# Altium PCB dwm1000arduino.PcbDoc
Units mil, origin at the board's own origin, x right, y up, seen from the top; angles counter-clockwise.
Board outline 2500 x 2000 mil, 2 copper layers (Top Layer, Bottom Layer); 55 components, 45 nets, 169 pads, 32 vias.
Unrouted connection lines stored in the file: 1.
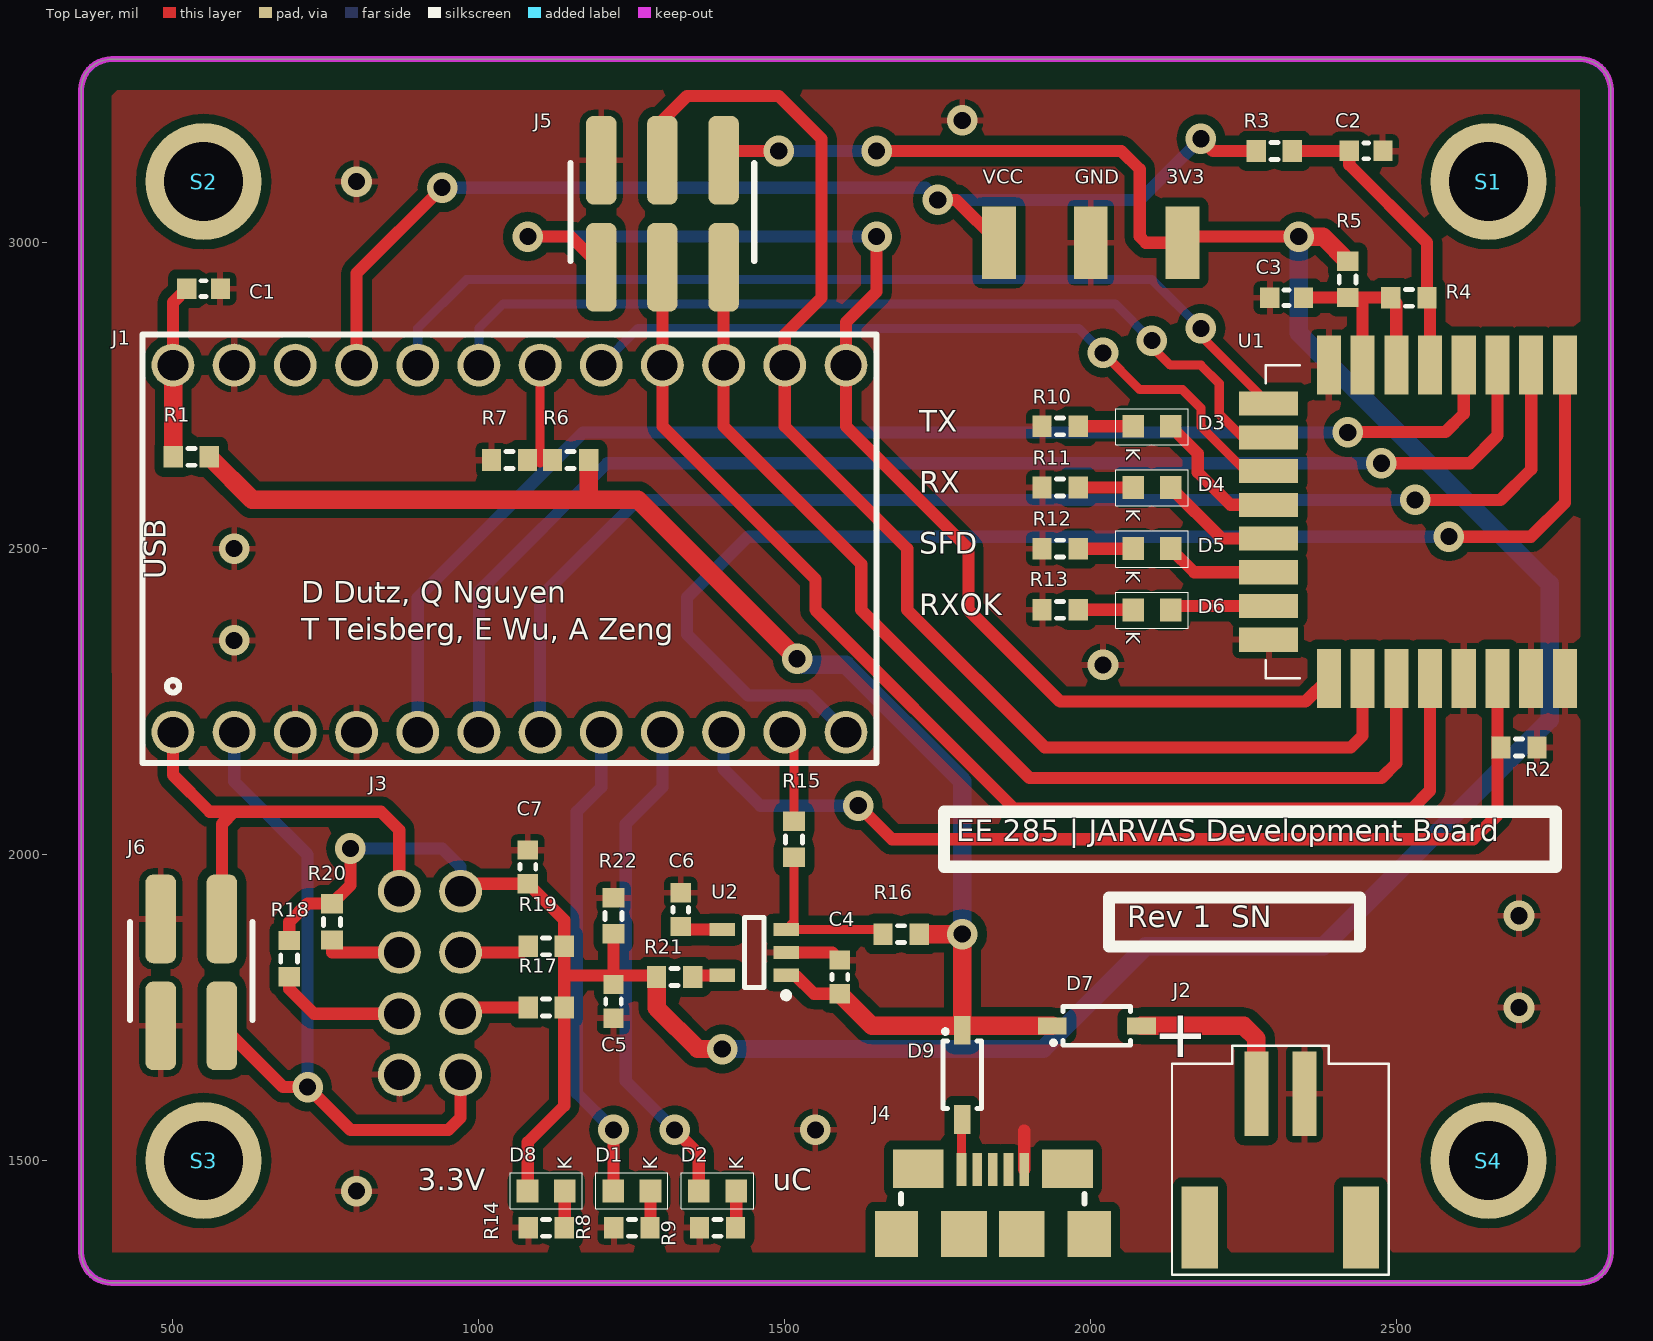
[diagram p0: Top Layer view]
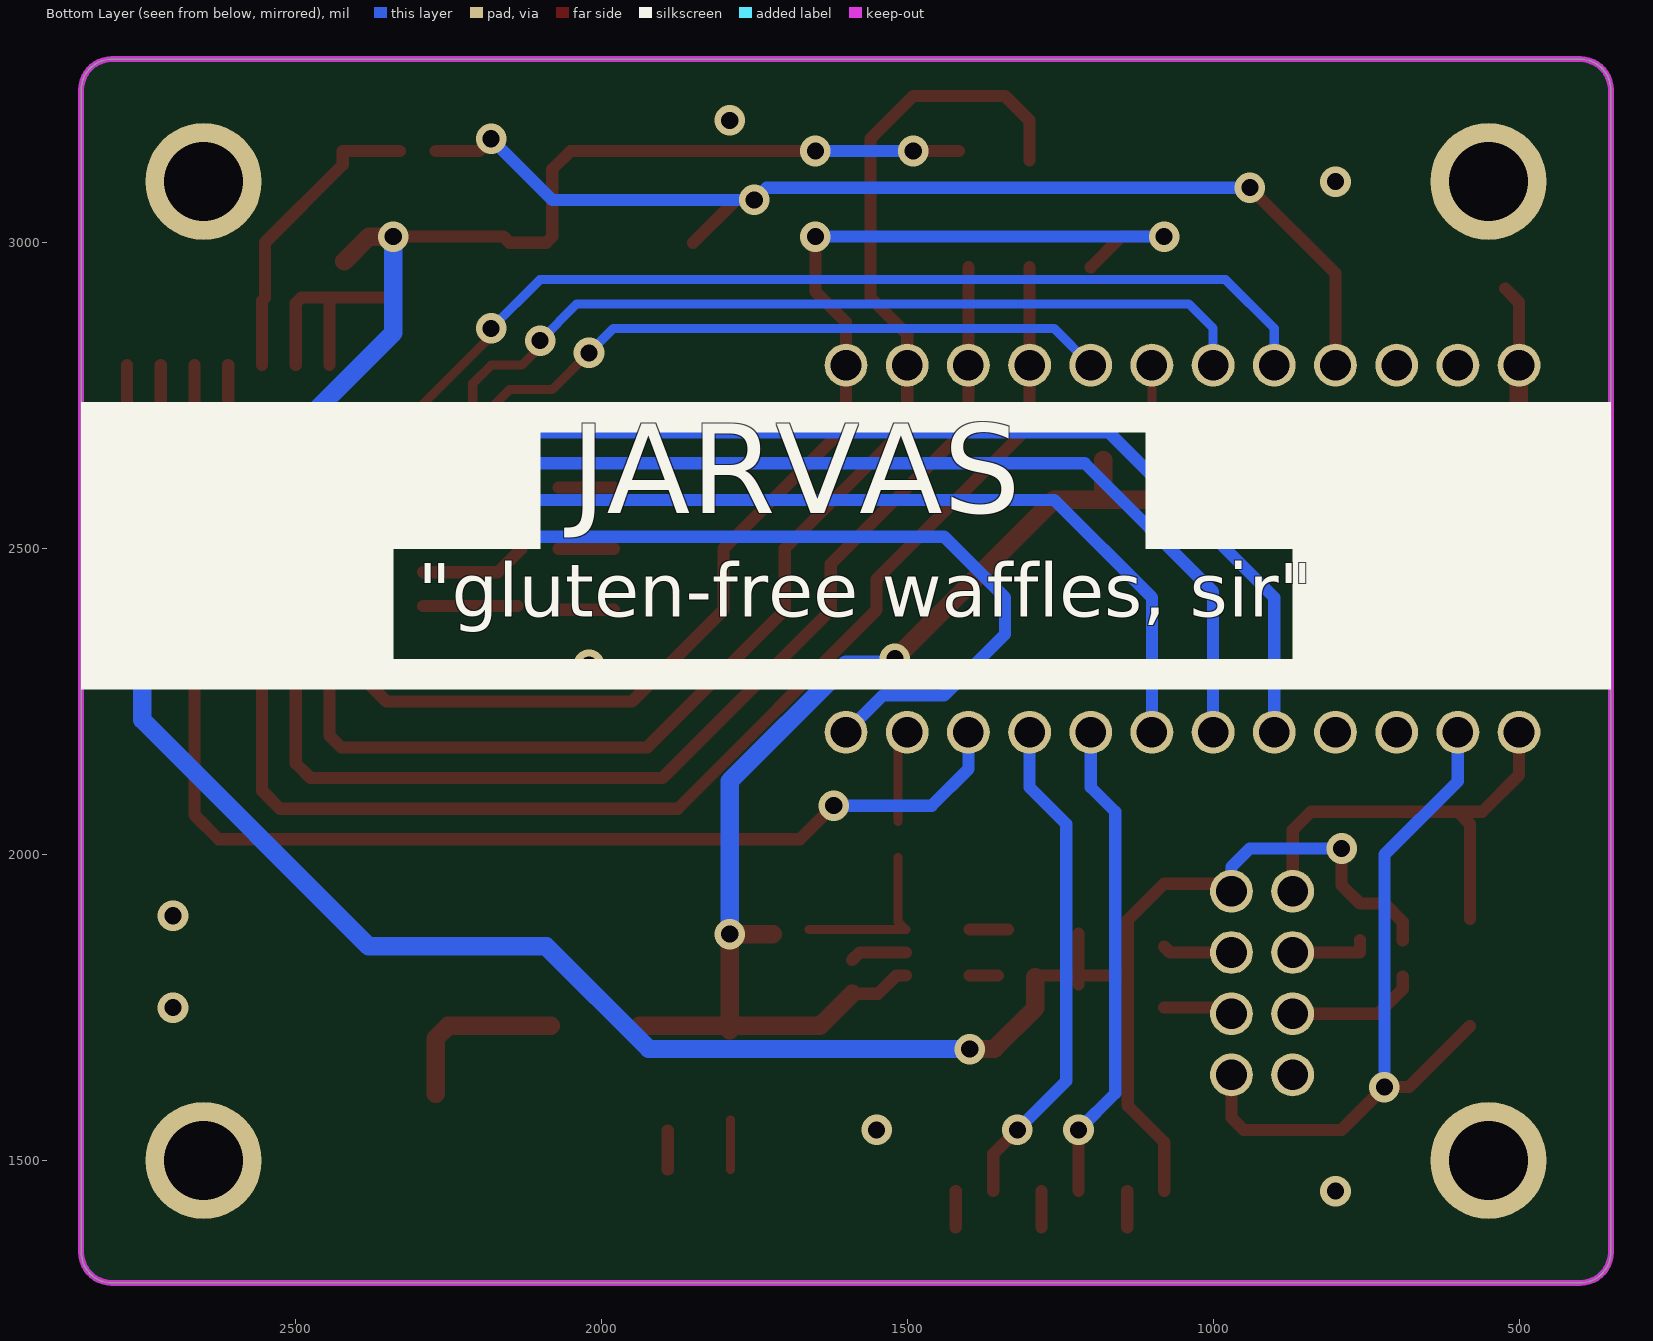
[diagram p1: Bottom Layer view, seen from below]
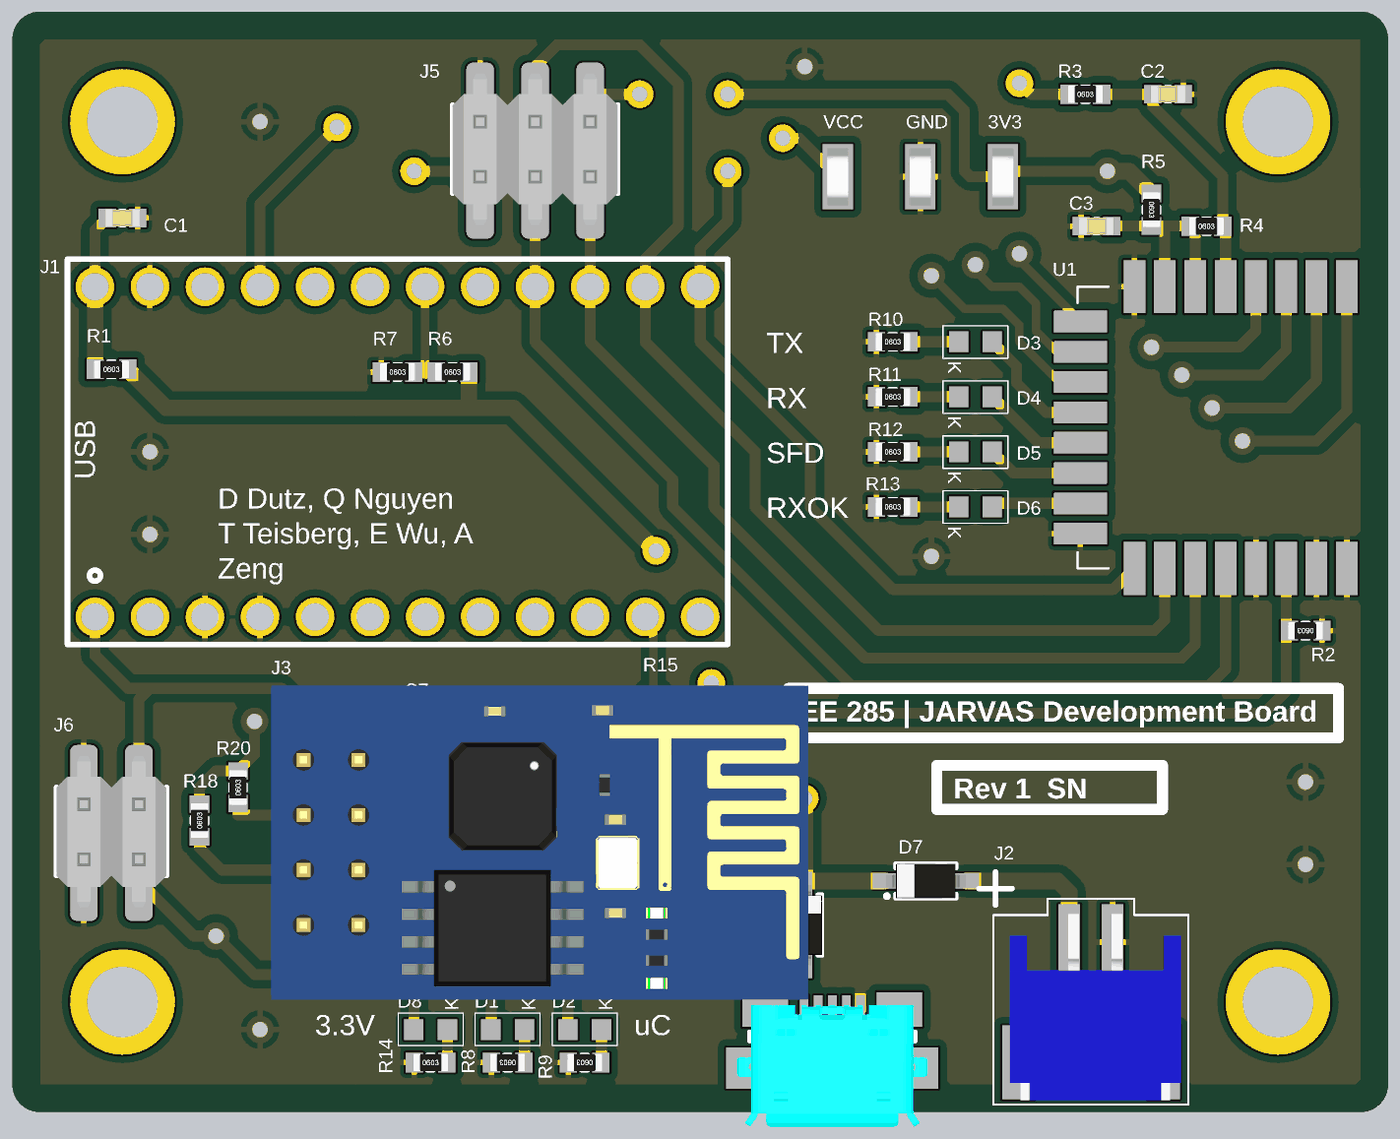
[diagram p2: 3D render of the assembled board from above, using the file's embedded part models]

## Layer stack, top to bottom
Top Solder: solder mask 0.4, Solder Resist, Dk 3.5
Top Layer: signal copper 1.4
Dielectric 1: dielectric 12.6, FR-4, Dk 4.8
Bottom Layer: signal copper 1.4
Bottom Solder: solder mask 0.4, Solder Resist, Dk 3.5

## Board outline
350,1350 350,3250 cw(c400,3250) 400,3300 2800,3300 cw(c2800,3250) 2850,3250 2850,1350 cw(c2800,1350) 2800,1300 400,1300 cw(c400,1350)

## Design rules (kind name [scope] priority, off if disabled: settings)
BoardOutlineClearance [All] p1: gap=50 ignorepadtopadclearanceinfootprint=FALSE
Clearance [All] p1: gap=7 ignorepadtopadclearanceinfootprint=FALSE except(0: Arc-Hole Track-Hole SMDPad-Hole THPad-Hole Via-Hole Fill-Hole Poly-Hole Region-Hole Text-Hole; 15: Arc-Via Arc-Poly Track-Via Track-Poly SMDPad-Via SMDPad-Poly THPad-Via THPad-Poly Via-Via Via-Poly Fill-Poly Poly-Poly)
HoleSize [All] p1: absolutevalues=TRUE maxlimit=250 minlimit=1 maxpercent=80.000 minpercent=20.000
MinimumSolderMaskSliver [All] p1: minsoldermaskwidth=1
PolygonConnect [All] p1: connectstyle=Relief reliefconductorwidth=10 reliefentries=4 polygonreliefangle="90 Angle" airgapwidth=10
RoutingVias [All] p1: holewidth=28 width=50 viastyle="Through Hole" minholewidth=28 minwidth=50 maxholewidth=28 maxwidth=50
SilkToSilkClearance [All] p1: silktosilkclearance=3
SilkToSolderMaskClearance [IsPad] p1: minsilkscreentomaskgap=3 clearancetoexposedcopper=TRUE
SolderMaskExpansion [All] p1: expansion=4
Width [All] p1: maxlimit=50 minlimit=15 preferedwidth=20
26 further rules are at their usual default settings.

## Components (designator, comment, footprint, x,y, rotation, side; value= is the part's Value field where it differs from the comment)
3V3 "TEST_KEYSTONE5015" TP_KEYSTONE_5015 2150,3000 r270 top
B1 "Banananannaa!" BANANA_OPEN 3810,3660 r135 top
C1 "__template_cap" C0603 550,2925 r0 top
C2 "__template_cap" C0603 2450,3150 r0 top
C3 "__template_cap" C0603 2320,2910 r180 top
C4 "__template_cap" C0603 1590,1800 r270 top
C5 "__template_cap" C0603 1220,1760 r90 top
C6 "__template_cap" C0603 1330,1910 r90 top
C7 "__template_cap" C0603 1080,1980 r90 top
D1 "LED" LED0603 1250,1450 r0 top
D2 "LED" LED0603 1390,1450 r0 top
D3 "LED" LED0603 2100,2700 r180 top
D4 "LED" LED0603 2100,2600 r180 top
D5 "LED" LED0603 2100,2500 r180 top
D6 "LED" LED0603 2100,2400 r180 top
D7 "SCHOTTKY_MBR0520L" SOD123 2010,1720 r180 top
D8 "LED" LED0603 1110,1450 r0 top
D9 "SCHOTTKY_MBR0520L" SOD123 1790,1640 r90 top
Designator2 "Comment" Quarter 3800,1750 r0 top
GND "TEST_KEYSTONE5015" TP_KEYSTONE_5015 2000,3000 r90 top
J1 "Arduino Pro Micro" ArduinoProMicro 500,2200 r90 top
J2 "CONN JST 2POS SMD" CONN_JST_PH_SM4_2PIN_RA 2310,1540 r180 top
J3 "ESP8266" PCBComponent_1 870,1640 r180 top
J4 "CONN_USB_MICROAB_SMD_R/A" HIROSE_ZX62-AB-5PA 1840,1380 r0 top
J5 "CONN_2x3_15-91-2060" MOLEX_15-91-2060 1400,2960 r180 top
J6 "CONN_2x2_15-91-2040" MOLEX_15-91-2040 580,1720 r180 top
R1 "__template_resistor" R0603 530,2650 r0 top
R2 "__template_resistor" R0603 2700,2175 r180 top
R3 "__template_resistor" R0603 2300,3150 r0 top
R4 "__template_resistor" R0603 2520,2910 r0 top
R5 "__template_resistor" R0603 2420,2940 r270 top
R6 "__template_resistor" R0603 1150,2645 r0 top
R7 "__template_resistor" R0603 1050,2645 r0 top
R8 "__template_resistor" R0603 1250,1390 r180 top
R9 "__template_resistor" R0603 1390,1390 r180 top
R10 "__template_resistor" R0603 1950,2700 r0 top
R11 "__template_resistor" R0603 1950,2600 r0 top
R12 "__template_resistor" R0603 1950,2500 r0 top
R13 "__template_resistor" R0603 1950,2400 r0 top
R14 "__template_resistor" R0603 1110,1390 r0 top
R15 "__template_resistor" R0603 1515,2025 r270 top
R16 "__template_resistor" R0603 1690,1870 r180 top
R17 "__template_resistor" R0603 1110,1750 r0 top
R18 "__template_resistor" R0603 690,1830 r90 top
R19 "__template_resistor" R0603 1110,1850 r0 top
R20 "__template_resistor" R0603 760,1890 r90 top
R21 "__template_resistor" R0603 1320,1800 r180 top
R22 "__template_resistor" R0603 1220,1900 r270 top
S1 "4-40 Machine screw" SCREW_4-40 2650,3100 r0 top
S2 "4-40 Machine screw" SCREW_4-40 550,3100 r0 top
S3 "4-40 Machine screw" SCREW_4-40 550,1500 r0 top
S4 "4-40 Machine screw" SCREW_4-40 2650,1500 r0 top
U1 "DWM1000" DW1000 2775,2800 r270 top
U2 "3.3V LDO" TSOT-23-5 1450,1840 r180 top
VCC "TEST_KEYSTONE5015" TP_KEYSTONE_5015 1850,3000 r90 top

## Footprints (in the part's own frame and the unit in brackets; to place one, negate y for a bottom-side part, rotate by r counter-clockwise, add the part's x,y. Pads: shape width x height; smd on the part's side, far side on the other; paste and mask are expansions set on the pad)
ArduinoProMicro [mil] "SFE Arduino Pro Micro Footprint"
  round 70 hole 50: 1(0,0) 2(0,-100) 3(0,-200) 4(0,-300) 5(0,-400) 6(0,-500) 7(0,-600) 8(0,-700) 9(0,-800) 10(0,-900) 11(0,-1000) 12(0,-1100) 13(600,-1100) 14(600,-1000) 15(600,-900) 16(600,-800) 17(600,-700) 18(600,-600) 19(600,-500) 20(600,-400) 21(600,-300) 22(600,-200) 23(600,-100) 24(600,0)
  silkscreen extent -50,-1150 650,50, body extent -50,-1150 650,50, height 128
BANANA_OPEN [mil] "Just a banana lol..."
  body extent -3233,-1683 3400,1569, height 1650
C0603 [mm] "Chip Capacitor, 2-Leads, Body 1.6x0.8mm, IPC High Density"
  rect 0.8x0.85 smd: 1(-0.7,0) 2(0.7,0)
  silkscreen extent -0.1,-0.33 0.1,0.33, body extent -0.8,-0.4 0.8,0.4, height 0.8
CONN_JST_PH_SM4_2PIN_RA [mm] "CONN HEADER JST PH SIDE 2POS 2MM SMD"
  rect 1.5x3.4 smd: 0(-3.35,3.8) 0(3.35,3.8)
  rect 1x3.5 smd: 1(1,-1.75) 2(-1,-1.75)
  silkscreen extent -4.5,-3.75 4.5,5.75, body extent -4.15,-3.05 3.75,5.55, height 5.5
DW1000 [mm] "DW1000 Module"
  rect 2.45x1 smd: 1(0,0) 2(0,-1.4) 3(0,-2.8) 4(0,-4.2) 5(0,-5.6) 6(0,-7) 7(0,-8.4) 8(0,-9.8) 17(13,-9.8) 18(13,-8.4) 19(13,-7) 20(13,-5.6) 21(13,-4.2) 22(13,-2.8) 23(13,-1.4) 24(13,0)
  rect 1x2.45 smd: 9(1.6,-12.3) 10(3,-12.3) 11(4.4,-12.3) 12(5.8,-12.3) 13(7.2,-12.3) 14(8.6,-12.3) 15(10,-12.3) 16(11.4,-12.3)
  silkscreen extent 0,-12.42 13,-11, body extent 0,-12.42 13,10.07, height 4
HIROSE_ZX62-AB-5PA [mm]
  rect 1.8x1.9 smd: 0(-4,0) 0(4,0)
  rect 2.1x1.6 smd: 0(-3.1,2.7) 0(3.1,2.7)
  rect 1.9x1.9 smd: 0(-1.2,0) 0(1.2,0)
  rect 0.4x1.35 smd: 1(-1.3,2.675) 2(-0.65,2.675) 3(0,2.675) 4(0.65,2.675) 5(1.3,2.675)
  silkscreen extent -3.81,1.27 3.81,1.65, body extent -4.4,-2.7 4.4,2.9, height 2.77
LED0603 [mm] "Chip Diode, 2-Leads, Body 1.60x0.80mm, IPC Medium Density"
  rect 0.9x0.95 smd: A(-0.775,0) K(0.775,0)
  silkscreen extent -1.5,-0.74 1.5,0.76, body extent -0.8,-0.4 0.8,0.4, height 0.8
MOLEX_15-91-2040 [mm]
  rrect50% 1.27x3.68 smd: 1(0,0) 2(2.54,0) 3(2.54,-4.44) 4(0,-4.44)
  silkscreen extent -1.27,-4.32 3.81,-0.25, body extent -1.27,-5.77 3.81,1.22, height 9.65
MOLEX_15-91-2060 [mm]
  rrect50% 1.27x3.68 smd: 1(0,0) 2(2.54,0) 3(5.08,0) 4(5.08,-4.44) 5(2.54,-4.44) 6(0,-4.44)
  silkscreen extent -1.27,-4.32 6.35,-0.25, body extent -1.27,-5.78 6.35,1.21, height 9.64
PCBComponent_1 [mil]
  round 70 hole 50: 1(0,0) 2(-100,0) 3(0,-100) 4(-100,-100) 5(0,-200) 6(-100,-200) 7(0,-300) 8(-100,-300)
  body extent -926,-435 50,135, height 231
Quarter [mil] "Just a quarter lol (for scale in renderings)"
  body extent -476,-476 477,476, height 68
R0603 [mm] "Chip Resistor, 2-Leads, Body 1.6x0.8mm, IPC High Density"
  rect 0.8x0.9 smd: 1(-0.75,0) 2(0.75,0)
  silkscreen extent -0.15,-0.35 0.15,0.35, body extent -0.8,-0.4 0.8,0.4, height 0.45
SCREW_4-40 [mil] "4-40 machine screw. Mmm.. tasty"
  oval 190x191 hole 128.5: 1(0,0)
SOD123 [mm]
  rect 1.2x0.7 smd: 1(-1.85,0) 2(1.85,0)
  silkscreen extent -1.4,-0.8 1.85,0.8, body extent -1.85,-0.8 1.85,0.8, height 1.27
TP_KEYSTONE_5015 [mm]
  rect 3x1.4 smd: 1(0,0)
  body extent -1.33,-0.51 1.33,0.51, height 1.52
TSOT-23-5 [mm] "SOT23, 5-Leads, Body 2.90x2.80mm, Pitch 0.95mm, IPC Medium Density"
  rect 1.05x0.55 smd: 1(-1.325,0.95) 2(-1.325,0) 3(-1.325,-0.95) 4(1.325,-0.95) 5(1.325,0.95)
  silkscreen extent -1.45,-1.45 0.4,1.9, body extent -0.8,-1.45 0.8,1.45, height 1

## Part data
3V3 GND VCC: "PC TEST POINT MINIATURE SMT"
B1: library part BANANA, "Banana for scale"
C1 C2 C3 C4 C7: library part 587-1251-1-ND
C5: library part 587-1441-1-ND
C6: library part 399-1092-1-ND
D1 D2 D3 D4 D5 D6 D8: library part LED_LTST-C190KFKT_ORANGE, "Orange 605nm LED Indication - Discrete 2V 0603 (1608 Metric)"
D7 D9: "DIODE SCHOTTKY 0.5A 20V SOD-123"
Designator2: library part QUARTER
J1: library part ArduinoProMicro_3V3_8MHz, "SFE Arduino Pro Micro 3.3 V / 8 MHz"
J2: library part CONN_JST_2_PH, "CONN HEADER PH SIDE 2POS 2MM SMD"
J3: library part ESP8266_Module, "RF TXRX MODULE WIFI TRACE ANT"
J4: "CONN RCPT MICRO USB AB SMD R/A"
J5: "CONN HEADER 6POS .100\" VERT TIN"
J6: "CONN HEADER 4POS .100\" VERT TIN"
R1 R3 R4 R5 R15 R16 R17 R18 R19 R20 R21 R22: library part CRCW06030000Z0EA, "RES SMD 0.0 OHM"
R2: library part CRCW060322K0FKEA, "RES SMD 22K OHM 1% 1/10W 0603"
R6 R7: library part CRCW060347K0FKEA, "RES SMD 47K OHM 1% 1/10W 0603"
R8 R9 R10 R11 R12 R13 R14: library part CRCW0603330RFKEA, "RES SMD 330 OHM 1% 1/10W 0603"
S1 S2 S3 S4: library part SCREW_4-40
U2: library part LDO_CAT6219_3V3, "Linear Voltage Regulator IC Positive Fixed 1 Output 3.3V 500mA TSOT-23-5"

## Via types
v1: diameter 50, hole 28, Top Layer to Bottom Layer, tented both sides, 22 vias
v2: diameter 50, hole 28, Top Layer to Bottom Layer, 10 vias

## Nets (pads, with @x,y where several pads share a name; then routed paths per layer and width w, separated by ;. In a path a pad name is that pad's centre, name@x,y a point inside that pad or via, vN(x,y) a via of type N, cw(c..) or ccw(c..) an arc to the next point about the centre after c; other vN are vias at no path point)
3V3: 3V3.1 C5.2 C7.1 D8.A J3.8 J5.6 R5.1 R17.2 R18.2 R19.2 R20.2 R21.2 R22.2 | length 5238.1
  Top Layer w20: R18.2 690,1890 720,1920 760,1920 790,1950 v1(790,2010) ; J3.8 982.44,1952.44 C7.1 ; D8.A 1080,1450.51 1080,1530 1139.53,1589.53 R17.2 R19.2 1139.53,1892.91 C7.1@1085,1947.44 ; 1140,1802.6 C5.2@1220,1802.6 ; C5.2 C5.2@1220,1802.6 ; R22.2 C5.2@1220,1802.6 ; R21.2@1290.47,1802.6 C5.2@1220,1802.6 ; J5.6@1415.2,3150 v2(1490,3150) ; v2(1650,3150) 2050,3150 2080,3120 2080,3010 2090,3000 3V3.1 2160,3010 v1(2340,3010)
  Top Layer w30: R21.2 1290.47,1749.53 1357.83,1682.17 v1(1397.83,1682.17) ; v1(2340,3010) 2379.53,3010 R5.1
  Bottom Layer w20: v1(790,2010) 790,2000 800,2010 940,2010 970,1980 J3.8 J3.8@970,1930 ; v2(1490,3150) v2(1650,3150)
  Bottom Layer w30: v1(1397.83,1682.17) 1922.17,1682.17 2090,1850 2380,1850 2750,2220 2750,2442.55 2340,2852.55 v1(2340,3010)
ARD_VCC: J1.21 R3.1 VCC.1 | length 1855.4
  Top Layer w20: J1.21 800,2950 v2(940,3090) ; v2@1760,3070 1780,3070 VCC.1 ; v2(2180,3170) 2200,3150 R3.1
  Bottom Layer w20: v2(940,3090) 1730,3090 v2(1750,3070) 2080,3070 v2(2180,3170)
DWM_CLK: J1.16 J5.2 U1.20 | length 1998.6
  Top Layer w20: J5.2 J1.16 1300,2700 1550,2450 1550,2400 1875,2075 2525,2075 2554.53,2104.53 U1.20
DWM_CS: J1.13 J5.3 U1.17 | length 2091.4
  Top Layer w20: v2(1080,3010) 1150,3010 J5.3 ; v2(1650,3010) 1650,2920 1600,2870 J1.13 1600,2700 1800,2500 1800,2400 1950,2250 2350.98,2250 U1.17
  Bottom Layer w20: v2(1080,3010) v2(1650,3010)
DWM_EXTON: J1.12 U1.1 | length 2110.5
  Top Layer w20: v1(2585.35,2519.65) 2719.65,2519.65 2775,2575 U1.1
  Bottom Layer w20: J1.12 1540,2260 1440,2260 1340,2360 1340,2420 1439.65,2519.65 v1(2585.35,2519.65)
DWM_GPIO4: J1.17 U1.11 | length 1229.8
  Top Layer w15: v1(2020,2820) 2080,2760 2150,2760 2180,2730 2180,2700 2225.02,2654.98 ; 2225.02,2654.96 2253.2,2626.77 U1.11
  Bottom Layer w15: J1.17 1260,2860 1980,2860 v1(2020,2820)
DWM_GPIO5: J1.19 U1.10 | length 1489.9
  Top Layer w15: v1@2095,2835 2130,2800 2180,2800 2210,2770 2210,2720 2248.11,2681.89 U1.10
  Bottom Layer w15: J1.19 1000,2860 1040,2900 2040,2900 v1(2100,2840)
DWM_GPIO6: J1.20 U1.9 | length 1575.1
  Top Layer w15: v1(2180,2860) 2180,2847.76 U1.9
  Bottom Layer w15: J1.20 900,2860 980,2940 2100,2940 v1(2180,2860)
DWM_GPIO7: J1.5 U1.4 | length 2132.7
  Top Layer w20: v1@2420.71,2690.71 2580,2690.71 2609.65,2720.35 U1.4
  Bottom Layer w20: J1.5 900,2420 1170,2690 v1(2420,2690)
DWM_IRQ: J1.10 R2.2 U1.22 | length 1612.3
  Top Layer w20: v2(1620,2080) 1675,2025 2625,2025 2664.76,2064.76 U1.22
  Bottom Layer w20: J1.10 1400,2140 1460,2080 v2(1620,2080)
DWM_MISO: J1.15 J5.1 U1.19 | length 1790.4
  Top Layer w20: J5.1 J1.15 1400,2700 1625,2475 1625,2400 1900,2125 2475,2125 2499.41,2149.41 U1.19
DWM_MOSI: J1.14 J5.5 U1.18 | length 2187.8
  Top Layer w20: J5.5 1300,3200 1340,3240 1490,3240 1560,3170 1560,2910 1500,2850 J1.14 1500,2700 1700,2500 1700,2400 1925,2175 2425,2175 2444.29,2194.29 U1.18
DWM_RST: J1.6 U1.3 | length 2115.5
  Top Layer w20: v1(2475.12,2639.65) 2619.65,2639.65 2664.76,2684.76 U1.3
  Bottom Layer w20: J1.6 1000,2430 1209.65,2639.65 v1(2475.12,2639.65)
DWM_WAKEUP: J1.7 U1.2 | length 2096.9
  Top Layer w20: v1(2530.24,2579.65) 2669.65,2579.65 2719.88,2629.88 U1.2
  Bottom Layer w20: J1.7 1100,2420 1259.65,2579.65 v1(2530.24,2579.65)
ESP_RXI: J1.1 J3.7 J6.4 | length 760.8
  Top Layer w20: J1.1 500,2130 560,2070 600,2070 ; J6.4 580,2050 600,2070 ; J3.7 870,2040 840,2070 600,2070
ESP_TXO: J1.2 J3.2 J6.1 | length 1168.4
  Top Layer w20: J6.1 680,1620 v1(720,1620) 790,1550 950,1550 970,1570 J3.2
  Bottom Layer w20: J1.2 600,2120 720,2000 v1(720,1620)
GND: C1.2 C2.2 C3.2 C4.1 C5.1 C6.2 C7.2 GND.1 J1.3 J1.4 J1.23 J2.2 J3.1 J4.5 J5.4 J6.2 J6.3 R2.1 R7.1 R8.2 R9.2 R10.1 R11.1 R12.1 R13.1 R14.1 R22.1 U1.8 U1.16 U1.21 U1.23 U1.24 U2.2 | length 156.5
  Top Layer w20: U2.2 1577.56,1840 C4.1 ; J4.5 1891.18,1548.82
  other v1: 800,1450 1550,1550 2700,1750 2700,1900 2020,2310 600,2350 600,2500 800,3100 1790,3200
LDO_EN: J1.11 R15.1 | length 151.7
  Top Layer w15: J1.11 1515,2185 R15.1
NetC1_1: C1.1 J1.24 R1.1 | length 284.5
  Top Layer w20: J1.24 500,2902.56 C1.1
  Top Layer w30: J1.24 500.47,2799.53 R1.1
NetC2_1: C2.1 R3.2 R4.2 U1.5 | length 497.6
  Top Layer w20: R3.2 C2.1 2422.44,3127.56 2549.53,3000.47 R4.2 2554.53,2905 U1.5
NetC3_1: C3.1 R4.1 R5.2 U1.6 U1.7 | length 361.9
  Top Layer w20: C3.1@2348.03,2910.47 R5.2 R4.1@2490,2910.47 ; U1.7 2444.29,2906.18 ; R4.1 2499.41,2901.06 U1.6
NetC6_1: C6.1 U2.4 | length 62.8
  Top Layer w20: C6.1@1335.04,1877.4 U2.4
NetD1_A: D1.A J1.8 | length 790.9
  Top Layer w20: D1.A@1220,1450.51 v1(1220,1550)
  Bottom Layer w20: J1.8 1200,2110 1160,2070 1160,1610 v1(1220,1550)
NetD1_K: D1.K R8.1 | length 59
  Top Layer w20: R8.1@1280.51,1390.98 D1.K
NetD2_A: D2.A J1.9 | length 824.3
  Top Layer w20: v1(1320,1550) 1359.49,1510.51 D2.A
  Bottom Layer w20: J1.9 1300,2110 1240,2050 1240,1630 v1(1320,1550)
NetD2_K: D2.K R9.1 | length 59
  Top Layer w20: R9.1@1420.51,1390.98 D2.K
NetD3_A: D3.A U1.12 | length 231.3
  Top Layer w20: D3.A 2175,2655.51 2175,2625 2228.35,2571.65 U1.12
NetD3_K: D3.K R10.2 | length 90
  Top Layer w20: R10.2 D3.K
NetD4_A: D4.A U1.13 | length 194.8
  Top Layer w20: D4.A 2213.98,2516.54 U1.13
NetD4_K: D4.K R11.2 | length 90
  Top Layer w20: R11.2 D4.K
NetD5_A: D5.A U1.14 | length 176.2
  Top Layer w20: D5.A 2169.09,2461.42 U1.14
NetD5_K: D5.K R12.2 | length 90
  Top Layer w20: R12.2 D5.K
NetD6_A: D6.A U1.15 | length 153.9
  Top Layer w20: D6.A@2136.81,2406.3 U1.15
NetD6_K: D6.K R13.2 | length 90
  Top Layer w20: R13.2 D6.K
NetD7_1: D7.1 J2.1 | length 286.8
  Top Layer w30: D7.1 2250,1720 2270.63,1699.37 J2.1
NetD8_K: D8.K R14.2 | length 59
  Top Layer w20: R14.2@1140.51,1390.98 D8.K
NetD9_1: D9.1 J4.1 | length 80.7
  Top Layer w15: J4.1 D9.1@1788.82,1565.98
NetJ3_3: J3.3 R18.1 | length 216.8
  Top Layer w20: R18.1 690,1780.47 730.47,1740 J3.3
NetJ3_4: J3.4 R17.1 | length 114.6
  Top Layer w20: J3.4 980,1750 R17.1
NetJ3_5: J3.5 R20.1 | length 130.5
  Top Layer w20: R20.1 760,1840 J3.5
NetJ3_6: J3.6 R19.1 | length 114.6
  Top Layer w20: J3.6 1070.47,1840 R19.1
NetR15_2: R15.2 R16.2 U2.3 | length 281.2
  Top Layer w15: R15.2 1515,1890.24 U2.3 R16.2@1660,1877.4
NetR21_1: R21.1 U2.5 | length 45.7
  Top Layer w20: R21.1@1352.13,1802.6 U2.5
VBAT: C4.2 D7.2 D9.2 R1.2 R6.2 R16.1 U2.1 | length 2460.9
  Top Layer w20: U2.1 1517.4,1802.6 1547.56,1772.44 C4.2
  Top Layer w30: R1.2 629.53,2580 1260,2580 v2(1520,2320) ; 1179.53,2580.47 R6.2 ; C4.2 1642.44,1720 D9.2@1790,1720 ; R16.1@1720,1870 v2(1790,1870) D9.2@1790,1720 ; D9.2 D9.2@1790,1720 ; D7.2 D9.2@1790,1720
  Bottom Layer w30: v2(1520,2320) 1530,2310 1600,2310 1790,2120 v2(1790,1870)
VBAT_MEAS: J1.18 R6.1 R7.2 | length 160
  Top Layer w15: 1100,2640 J1.18
pads on no net: J1.22 J2.0 J4.0 J4.2 J4.3 J4.4 S1.1 S2.1 S3.1 S4.1

## Polygon pours and split planes (outlines as drawn)
GND on Top Layer "Top GND" (solid, remove dead copper, pour order 0): 350,1350 350,3250 cw(c400,3250) 400,3300 2800,3300 cw(c2800,3250) 2850,3250 2850,1350 cw(c2800,1350) 2800,1300 400,1300 cw(c400,1350)
GND on Bottom Layer "Bottom GND" (solid, remove dead copper, pour order 1): 350,1350 350,3250 cw(c400,3250) 400,3300 2800,3300 cw(c2800,3250) 2850,3250 2850,1350 cw(c2800,1350) 2800,1300 400,1300 cw(c400,1350)

## Keep-outs
Keep-Out Layer:
  the board outline again, w10

## Silkscreen, mask and mechanical layers (free items; w line width, h text height)
Top Overlay:
  lines w20: 1760,1980 2760,1980 2760,2070 1760,2070 1760,1980 ; 2030,1850 2030,1930 2440,1930 2440,1850 2030,1850
  text "TX" at 1720,2680 h60
  text "RX" at 1720,2580 h60
  text "SFD" at 1720,2480 h60
  text "RXOK" at 1720,2380 h60
  text "D Dutz, Q Nguyen / T Teisberg, E Wu, A Zeng" at 710,2340 h60
  text "EE 285 | JARVAS Development Board" at 1780,2010 h60
  text "Rev 1" at 2060,1870 h60
  text "SN" at 2230,1870 h60
  text "3.3V" at 900,1440 h60
  text "uC" at 1480,1440 h60
Bottom Overlay:
  rectangle: 350,2270 2850,2320
  rectangle: 350,2690 2850,2740
  region: 1110,2730 1110,2500 870,2500 870,2280 350,2280 350,2730
  region: 2100,2720 2100,2500 2340,2500 2340,2280 2850,2280 2850,2720
  text "JARVAS" at 2050,2510 h250
  text "\"gluten-free waffles, sir\"" at 2300,2360 h150
Mechanical 1:
  the board outline again, w10

## Text inside footprints (layer, text, board x,y; h text height)
D1: Top Overlay "K" at 1300,1485 h39.37 r90
D2: Top Overlay "K" at 1440,1485 h39.37 r90
D3: Top Overlay "K" at 2050,2665 h39.37 r270
D4: Top Overlay "K" at 2050,2565 h39.37 r270
D5: Top Overlay "K" at 2050,2465 h39.37 r270
D6: Top Overlay "K" at 2050,2365 h39.37 r270
D8: Top Overlay "K" at 1160,1485 h39.37 r90
J1: Top Overlay "USB" at 500,2450 h60 r90
J2: Top Overlay "+" at 2191.89,1736.85 h78.74 r180
J4: Mechanical 13 "Board edge" at 1750,1335 h40